# Altium PCB PCB1.PcbDoc (part 1 of 2) (continued)
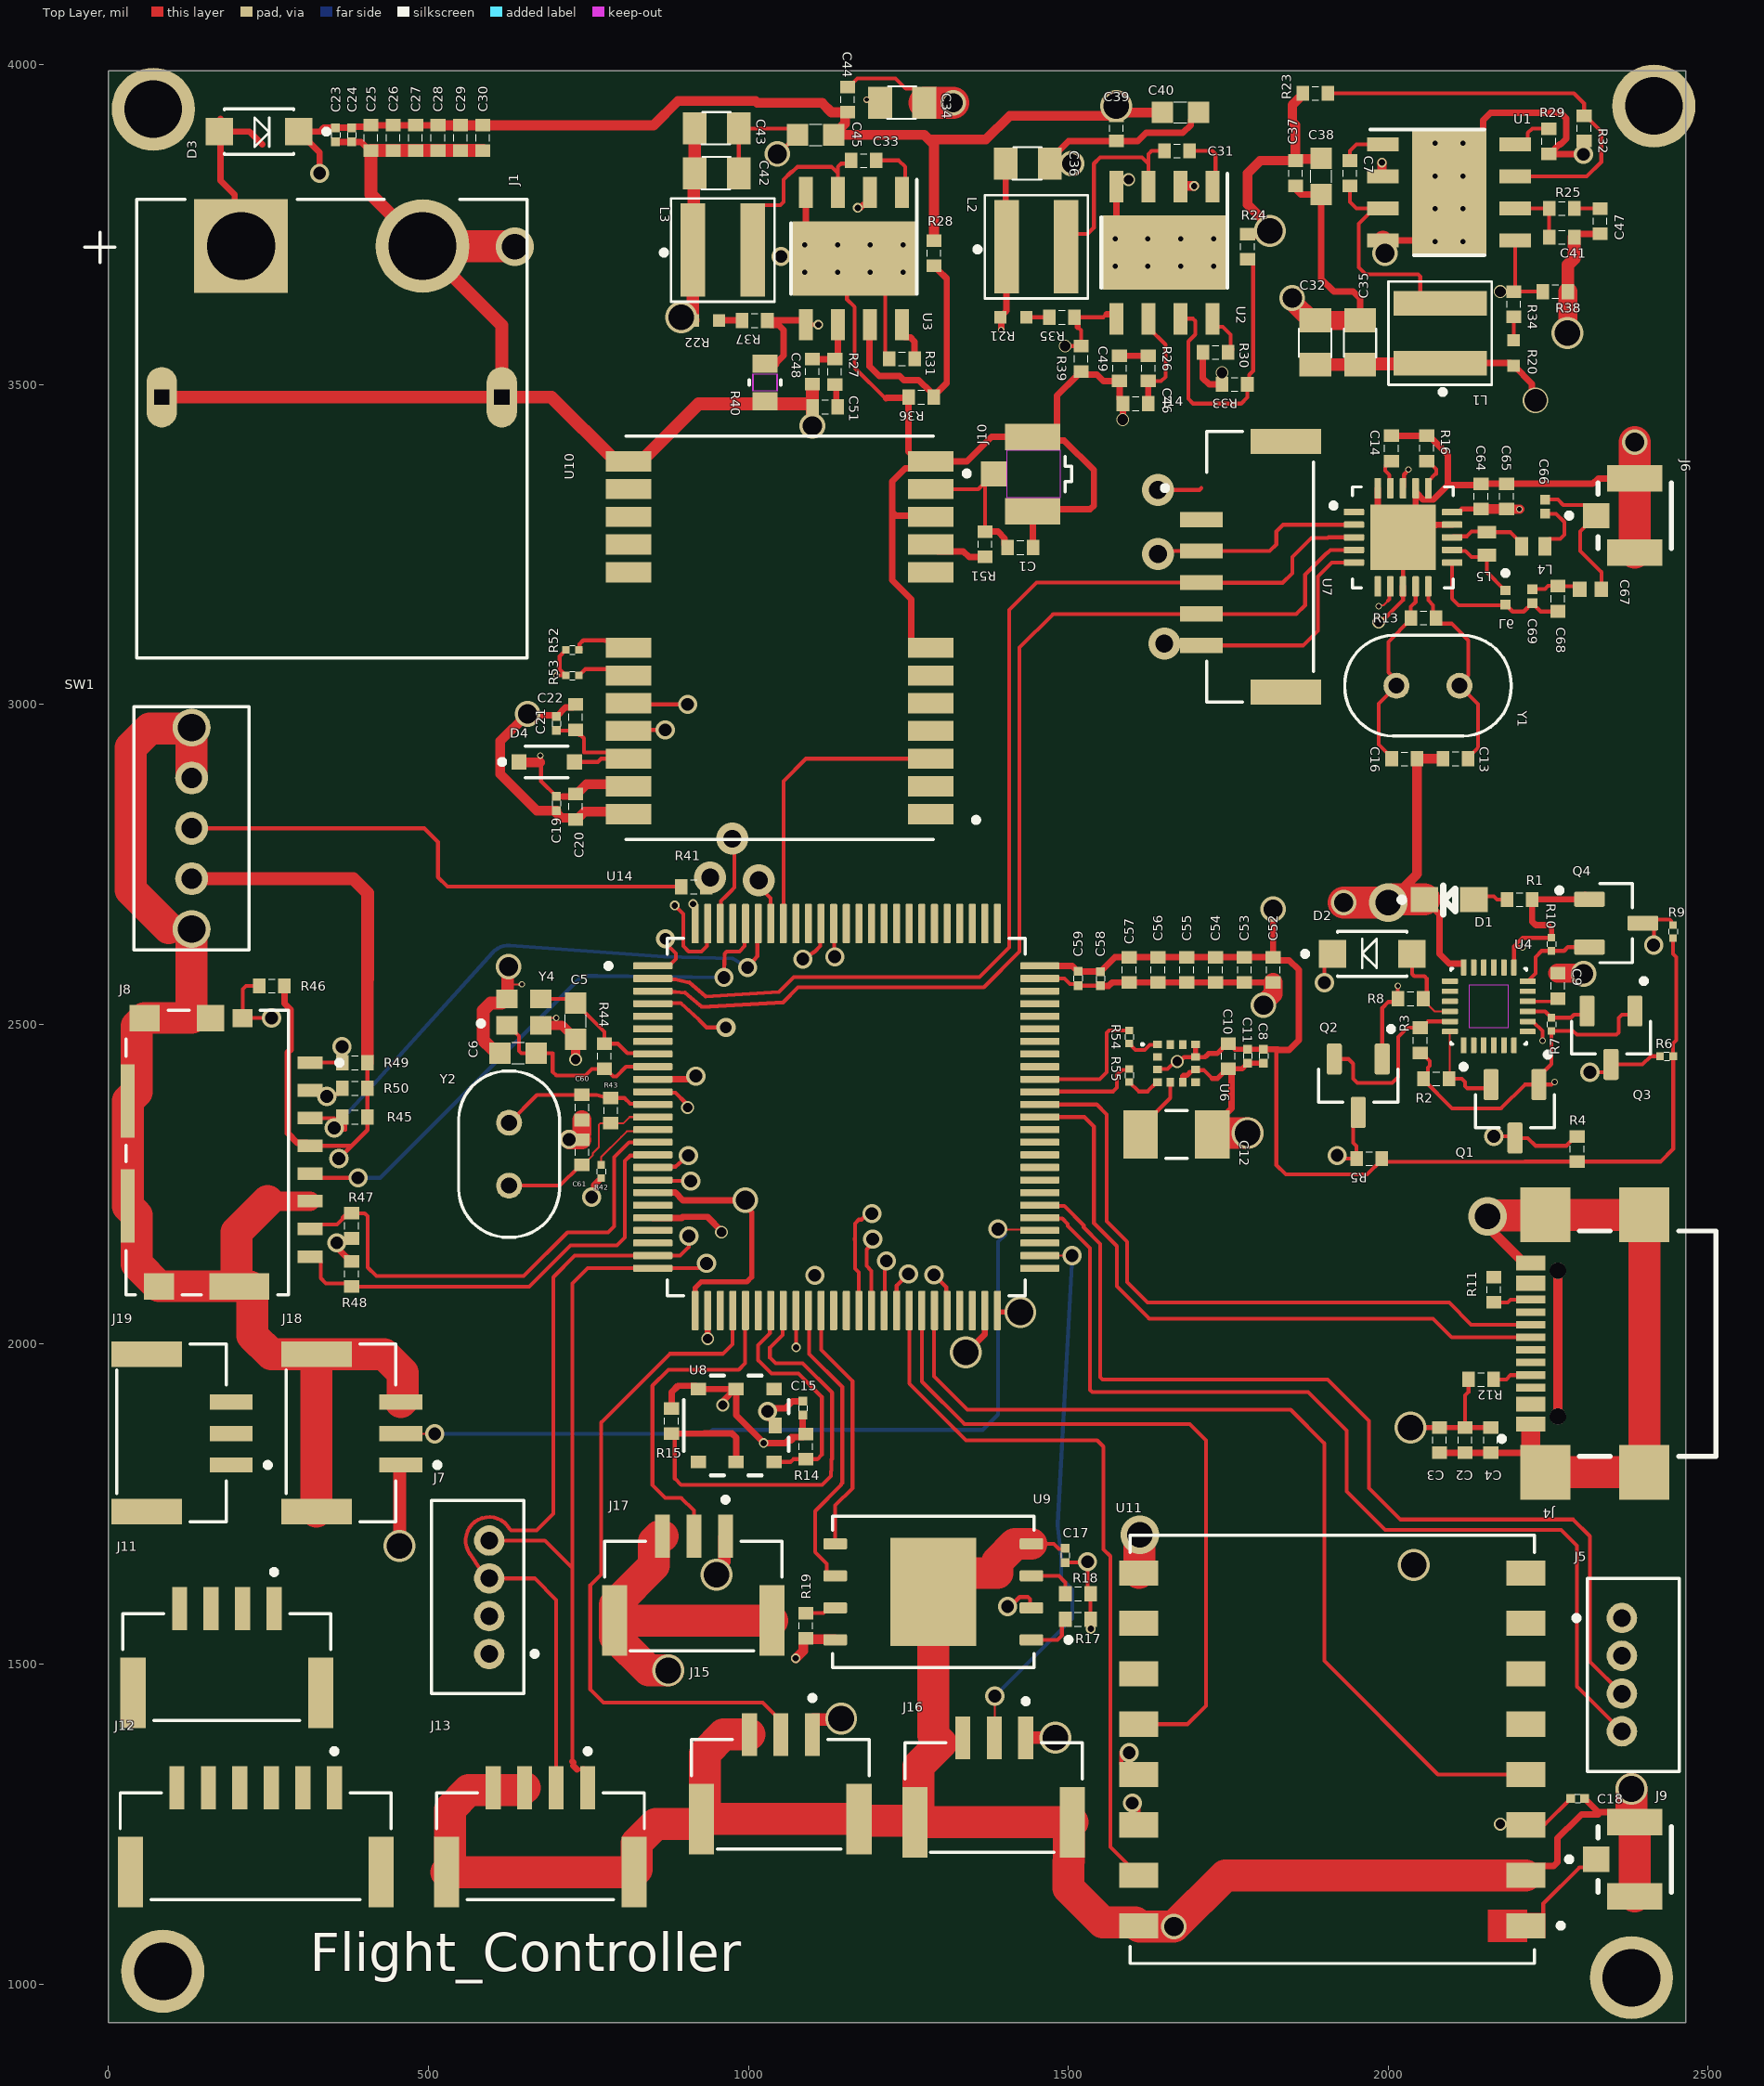
[diagram p0: Top Layer view]
## Part data (continued)
R13 R43 R44: "RES SMD 1M OHM 1% 1/10W 0402", Case Code (Imperial)=0402, Case Code (Metric)=1005, Manufacturer=Panasonic, Max Operating Temperature=155°C, Max Power Dissipation=100mW, Min Operating Temperature=-55°C, Package Quantity=1, Resistance Tolerance=1%, Resistor Type="Thick Film", Supplier Part Number=P1.00MLCT-ND, Temperature Coefficient=100ppm/°C, Voltage Rating=50V, Case/Package=0402, Category="Chip SMD Resistors", ComponentLink1Description=https://datasheet.ciiva.com/34303/1987046-34303551.pdf?src-supplier=Jameco, ComponentLink1URL=https://datasheet.ciiva.com/34303/1987046-34303551.pdf?src-supplier=Jameco, ComponentLink2Description=https://datasheet.ciiva.com/11821/0900766b80f80784-11821229.pdf?src-supplier=Rs, ComponentLink2URL=https://datasheet.ciiva.com/11821/0900766b80f80784-11821229.pdf?src-supplier=Rs, ComponentLink3Description=https://datasheet.ciiva.com/7909/aoa0000ce2-7909180.pdf?src-supplier=Element14, ComponentLink3URL=https://datasheet.ciiva.com/7909/aoa0000ce2-7909180.pdf?src-supplier=Element14, ComponentLink4Description=https://datasheet.ciiva.com/22723/1678782-22723164.pdf?src-supplier=Element14, ComponentLink4URL=https://datasheet.ciiva.com/22723/1678782-22723164.pdf?src-supplier=Element14, ComponentLink5Description=https://datasheet.ciiva.com/24158/aoa0000ce2-24158990.pdf?src-supplier=Mouser, ComponentLink5URL=https://datasheet.ciiva.com/24158/aoa0000ce2-24158990.pdf?src-supplier=Mouser, ComponentLink6Description=https://datasheet.ciiva.com/16766/70260748-16766711.pdf?src-supplier=Allied+Electronics, ComponentLink6URL=https://datasheet.ciiva.com/16766/70260748-16766711.pdf?src-supplier=Allied+Electronics, ComponentLink7Description=https://datasheet.ciiva.com/16779/70260748-16779288.pdf?src-supplier=Allied+Electronics, ComponentLink7URL=https://datasheet.ciiva.com/16779/70260748-16779288.pdf?src-supplier=Allied+Electronics, ComponentLink8Description=https://datasheet.ciiva.com/16199/aoa0000ce2-16199544.pdf?src-supplier=Future+Electronics, ComponentLink8URL=https://datasheet.ciiva.com/16199/aoa0000ce2-16199544.pdf?src-supplier=Future+Electronics, Construction=Rectangular, Contact Plating=Tin, Depth=0.5mm, Features="Automotive AEC-Q200", Height=0.35mm, Lead Free="Lead Free", Length=1mm, Manufacturer Part Number=ERJ-2RKF1004X, Military Standard=Not, Mounting Technology="Surface Mount", Number of Terminations=2, Packaging="Tape and Reel", Pins=2, Power Rating=100mW, Pricing="1=0.10000, 10=0.03400, 100=0.01390, 1000=0.00625, 2500=0.00543, 5000=0.00448 (USD)", Radiation Hardening=No, Reach SVHC Compliant=Yes, RoHS=Yes, RoHS Compliant=Yes, Series=ERJ, Stock=3168277, Supplier=Digi-Key, Technology="THICK FILM", Termination=SMD/SMT, Tolerance=1%, Voltage Rating (DC)=50V, Weight=2.8E-05oz, Width=0.02inch, Working Voltage=50V
R14 R15: "Res Thick Film 0402 4.7K Ohm 1% 1/10W ±100ppm/°C Molded SMD Punched Carrier T/R", Case Code (Imperial)=0402, Case Code (Metric)=1005, Manufacturer=Panasonic, Max Operating Temperature=155°C, Max Power Dissipation=100mW, Min Operating Temperature=-55°C, Package Quantity=10000, Resistor Type="Thick Film", Supplier Part Number=7325517, Temperature Coefficient=100ppm/°C, Tolerance=1%, Voltage Rating=50V, Case/Package=0402, Category="Chip SMD Resistors", ComponentLink1Description=https://datasheet.ciiva.com/11821/0900766b80f80784-11821329.pdf?src-supplier=Rs, ComponentLink1URL=https://datasheet.ciiva.com/11821/0900766b80f80784-11821329.pdf?src-supplier=Rs, ComponentLink2Description=https://datasheet.ciiva.com/7830/aoa0000ce2-7830727.pdf?src-supplier=Element14, ComponentLink2URL=https://datasheet.ciiva.com/7830/aoa0000ce2-7830727.pdf?src-supplier=Element14, ComponentLink3Description=https://datasheet.ciiva.com/22781/1678782-22781576.pdf?src-supplier=Farnell, ComponentLink3URL=https://datasheet.ciiva.com/22781/1678782-22781576.pdf?src-supplier=Farnell, ComponentLink4Description=https://datasheet.ciiva.com/22667/1678782-22667886.pdf?src-supplier=Element14, ComponentLink4URL=https://datasheet.ciiva.com/22667/1678782-22667886.pdf?src-supplier=Element14, ComponentLink5Description=https://datasheet.ciiva.com/22723/1678782-22723903.pdf?src-supplier=Element14, ComponentLink5URL=https://datasheet.ciiva.com/22723/1678782-22723903.pdf?src-supplier=Element14, ComponentLink6Description=https://datasheet.ciiva.com/24025/aoa0000ce2-24025663.pdf?src-supplier=Mouser, ComponentLink6URL=https://datasheet.ciiva.com/24025/aoa0000ce2-24025663.pdf?src-supplier=Mouser, ComponentLink7Description=https://datasheet.ciiva.com/16763/70260748-16763151.pdf?src-supplier=Allied+Electronics, ComponentLink7URL=https://datasheet.ciiva.com/16763/70260748-16763151.pdf?src-supplier=Allied+Electronics, ComponentLink8Description=https://datasheet.ciiva.com/9195/aoa0000ce2-9195737.pdf?src-supplier=Avnet, ComponentLink8URL=https://datasheet.ciiva.com/9195/aoa0000ce2-9195737.pdf?src-supplier=Avnet, ComponentLink9Description=https://datasheet.ciiva.com/30053/aoa0000ce2-30053990.pdf?src-supplier=Onlinecomponents.com, ComponentLink9URL=https://datasheet.ciiva.com/30053/aoa0000ce2-30053990.pdf?src-supplier=Onlinecomponents.com, Contact Plating=Tin, Depth=0.5mm, Features="Automotive AEC-Q200", Height=0.35mm, Lead Free="Lead Free", Length=1mm, Manufacturer Part Number=ERJ-2RKF4701X, Military Standard=Not, Mounting Technology="Surface Mount", Number of Terminations=2, Packaging="Cut Tape", Pins=2, Power Rating=100mW, Pricing="10000=0.00400 (GBP)", Radiation Hardening=No, Reach SVHC Compliant=Yes, RoHS=Yes, RoHS Compliant=Yes, Series=ERJ-2Rx, Stock=290000, Supplier=Rs, Technology="THICK FILM", Termination=SMD/SMT, Voltage Rating (DC)=50V, Weight=0.000388oz, Width=0.5mm
R18 R19: "SMD Chip Resistor, Jumper, 0 ohm, 100 mW, 0402 [1005 Metric], Thick Film, General Purpose", Case Code (Imperial)=0402, Case Code (Metric)=1005, Manufacturer=Panasonic, Max Operating Temperature=155°C, Max Power Dissipation=100mW, Min Operating Temperature=-55°C, Package Quantity=10000, Ratings=AEC-Q200, Resistor Type="Thick Film", Supplier Part Number=P0.0JCT-ND, Temperature Coefficient=600ppm/°C, Tolerance=5%, Voltage Rating=50V, Case/Package=0402, Category="Chip SMD Resistors", ComponentLink1Description=https://datasheet.ciiva.com/11821/0900766b80f806dd-11821176.pdf?src-supplier=Rs, ComponentLink1URL=https://datasheet.ciiva.com/11821/0900766b80f806dd-11821176.pdf?src-supplier=Rs, ComponentLink2Description=https://datasheet.ciiva.com/43460/1678796-43460347.pdf?src-supplier=Farnell, ComponentLink2URL=https://datasheet.ciiva.com/43460/1678796-43460347.pdf?src-supplier=Farnell, ComponentLink3Description=https://datasheet.ciiva.com/46389/1678796-46389518.pdf?src-supplier=Element14, ComponentLink3URL=https://datasheet.ciiva.com/46389/1678796-46389518.pdf?src-supplier=Element14, ComponentLink4Description=https://datasheet.ciiva.com/5959/1678796-5959692.pdf?src-supplier=Farnell, ComponentLink4URL=https://datasheet.ciiva.com/5959/1678796-5959692.pdf?src-supplier=Farnell, ComponentLink5Description=https://datasheet.ciiva.com/28695/1678796-28695758.pdf?src-supplier=Element14, ComponentLink5URL=https://datasheet.ciiva.com/28695/1678796-28695758.pdf?src-supplier=Element14, ComponentLink6Description=https://datasheet.ciiva.com/16783/70260739-16783734.pdf?src-supplier=Allied+Electronics, ComponentLink6URL=https://datasheet.ciiva.com/16783/70260739-16783734.pdf?src-supplier=Allied+Electronics, ComponentLink7Description=https://datasheet.ciiva.com/16778/70260739-16778335.pdf?src-supplier=Allied+Electronics, ComponentLink7URL=https://datasheet.ciiva.com/16778/70260739-16778335.pdf?src-supplier=Allied+Electronics, ComponentLink8Description=https://datasheet.ciiva.com/48531/aoa0000ce1-48531077.pdf?src-supplier=Avnet, ComponentLink8URL=https://datasheet.ciiva.com/48531/aoa0000ce1-48531077.pdf?src-supplier=Avnet, ComponentLink9Description=https://datasheet.ciiva.com/30097/4aoa0000ce1-30097116.pdf?src-supplier=Onlinecomponents.com, ComponentLink9URL=https://datasheet.ciiva.com/30097/4aoa0000ce1-30097116.pdf?src-supplier=Onlinecomponents.com, Construction=Rectangular, Contact Plating=Tin, Depth=0.5mm, Features="Automotive AEC-Q200", Height=0.35mm, Lead Free="Lead Free", Length=1mm, Manufacturer Part Number=ERJ-2GE0R00X, Military Standard=Not, Mounting Technology="Surface Mount", Number of Terminations=2, Packaging="Cut Tape", Power Rating=100mW, Pricing="1=0.10000, 10=0.02700, 25=0.02000, 50=0.01500, 100=0.01110, 250=0.00848, 500=0.00680, 1000=0.00500, 5000=0.00359 (USD)", Radiation Hardening=No, Reach SVHC Compliant=Yes, RoHS=Yes, RoHS Compliant=Yes, Series=ERJ, Stock=12419974, Supplier=Digi-Key, Technology="THICK FILM", Termination=SMD/SMT, Voltage Rating (DC)=50V, Width=0.5mm
R20 R21 R22: library part ERA2AEB5112X, "51.1 kOhms ±0.1% 0.063W, 1/16W Chip Resistor 0402 (1005 Metric) Automotive AEC-Q200 Thin Film", Manufacturer Part Number=ERA2AEB5112X
R23 R24 R28: "High Precision-High Stability Chip Resistor Thin Film 0402 220kOhm 0.1% Paper T/R", Case/Package=0402, Manufacturer=Yageo, Category="Chip SMD Resistors", Manufacturer Part Number=RT0402BRD07220KL, Pricing="10000=0.047, 20000=0.0452, 30000=0.0442, 50000=0.0425, 100000=0.0416 (USD)", RoHS=Yes, Stock=310000, Supplier="Arrow Electronics", Supplier Part Number=RT0402BRD07220KL
R25 R26 R27: "Res Thick Film 0402 3.4K Ohm 1% 1/10W ±100ppm/°C Molded SMD Punched Carrier T/R", Case/Package=0402, Manufacturer=Panasonic, Supplier Part Number=667-ERJ-2RKF3401X, Voltage Rating (DC)=50V, Category="Chip SMD Resistors", ComponentLink1Description=https://datasheet.ciiva.com/6201/426256-6201358.pdf?src-supplier=Farnell, ComponentLink1URL=https://datasheet.ciiva.com/6201/426256-6201358.pdf?src-supplier=Farnell, ComponentLink2Description=https://datasheet.ciiva.com/9196/aoa0000ce2-9196415.pdf?src-supplier=Avnet, ComponentLink2URL=https://datasheet.ciiva.com/9196/aoa0000ce2-9196415.pdf?src-supplier=Avnet, ComponentLink3Description=https://datasheet.ciiva.com/24160/aoa0000ce2-24160133.pdf?src-supplier=Mouser, ComponentLink3URL=https://datasheet.ciiva.com/24160/aoa0000ce2-24160133.pdf?src-supplier=Mouser, ComponentLink4Description=https://datasheet.ciiva.com/30115/aoa0000ce2-30115213.pdf?src-supplier=Onlinecomponents.com, ComponentLink4URL=https://datasheet.ciiva.com/30115/aoa0000ce2-30115213.pdf?src-supplier=Onlinecomponents.com, ComponentLink5Description=https://datasheet.ciiva.com/16771/70260748-16771656.pdf?src-supplier=Allied+Electronics, ComponentLink5URL=https://datasheet.ciiva.com/16771/70260748-16771656.pdf?src-supplier=Allied+Electronics, ComponentLink6Description=https://datasheet.ciiva.com/16774/70260748-16774598.pdf?src-supplier=Allied+Electronics, ComponentLink6URL=https://datasheet.ciiva.com/16774/70260748-16774598.pdf?src-supplier=Allied+Electronics, ComponentLink7Description=https://datasheet.ciiva.com/46389/426256-46389135.pdf?src-supplier=Element14, ComponentLink7URL=https://datasheet.ciiva.com/46389/426256-46389135.pdf?src-supplier=Element14, Lead Free=5698LeadFree, Manufacturer Part Number=ERJ-2RKF3401X, Pricing="1=0.1, 10=0.023, 50=0.023, 100=0.013, 1000=0.008, 10000=0.004 (USD)", RoHS=Yes, Stock=133092, Supplier=Mouser
R29 R30 R31: "SMD Chip Resistor, 140 kOhm, ± 0.1%, 63 mW, 0402 [1005 Metric], Thin Film, High Precision High Stability", Case/Package=0402, Manufacturer=Yageo, Supplier Part Number=4312055, Temperature Coefficient=25ppm/°C, Category="Chip SMD Resistors", ComponentLink1Description=https://datasheet.octopart.com/RT0402BRD07140KL-Yageo-datasheet-166250672.pdf?src-supplier=Future+Electronics, ComponentLink1URL=https://datasheet.octopart.com/RT0402BRD07140KL-Yageo-datasheet-166250672.pdf?src-supplier=Future+Electronics, ComponentLink2Description=https://datasheet.octopart.com/RT0402BRD07140KL-Yageo-datasheet-164439670.pdf?src-supplier=Newark, ComponentLink2URL=https://datasheet.octopart.com/RT0402BRD07140KL-Yageo-datasheet-164439670.pdf?src-supplier=Newark, Manufacturer Part Number=RT0402BRD07140KL, Packaging=10Packaging, Pricing="10=0.121, 100=0.105, 500=0.066, 2500=0.057, 5000=0.048, 10000=0.047, 50000=0.0461, 100000=0.0451 (EUR)", RoHS=Yes, Stock=9900, Supplier=Farnell
R32 R33 R36: "0402 Thin Film Chip Resistor / 0402 SMD Resistor 0.1% 15PPM 43 Kohm", Case Code (Imperial)=0402, Case Code (Metric)=1005, Manufacturer=Panasonic, Max Operating Temperature=155°C, Max Power Dissipation=63mW, Min Operating Temperature=-55°C, Supplier Part Number=667-ERA-2APB433X, Temperature Coefficient=15ppm/°C, Tolerance=0.1%, Case/Package=0402, Category="Chip SMD Resistors", ComponentLink1Description=https://media.digikey.com/pdf/Data%20Sheets/Panasonic%20Resistors%20Thermistors%20PDFs/ERA_Series_LE.pdf?src-supplier=Digi-Key, ComponentLink1URL=https://media.digikey.com/pdf/Data%20Sheets/Panasonic%20Resistors%20Thermistors%20PDFs/ERA_Series_LE.pdf?src-supplier=Digi-Key, Features="Automotive AEC-Q200", Height=0.016inch, Lead Free="Lead Free", Length=0.039inch, Manufacturer Part Number=ERA-2APB433X, Number of Terminations=2, Packaging="Cut Tape", Pricing="1=0.73, 10=0.471, 50=0.471, 100=0.41, 1000=0.24, 10000=0.218 (USD)", RoHS=Yes, Series=ERA-2A, Stock=8335, Supplier=Mouser, Width=0.02inch
R34 R35 R37: "Res Thin Film 0402 100K Ohm 0.1% 0.063W ±25ppm/°C Molded SMD Punched Carrier T/R", Case/Package=0402, Manufacturer=Panasonic, Supplier Part Number=667-ERA-2AEB104X, Voltage Rating (DC)=25V, Category="Chip SMD Resistors", ComponentLink1Description=https://datasheet.ciiva.com/11812/0900766b80beefcc-11812257.pdf?src-supplier=Rs, ComponentLink1URL=https://datasheet.ciiva.com/11812/0900766b80beefcc-11812257.pdf?src-supplier=Rs, ComponentLink2Description=https://datasheet.ciiva.com/16787/70068849-16787783.pdf?src-supplier=Allied+Electronics, ComponentLink2URL=https://datasheet.ciiva.com/16787/70068849-16787783.pdf?src-supplier=Allied+Electronics, ComponentLink3Description=https://datasheet.ciiva.com/46398/328837-46398997.pdf?src-supplier=Element14, ComponentLink3URL=https://datasheet.ciiva.com/46398/328837-46398997.pdf?src-supplier=Element14, ComponentLink4Description=https://datasheet.ciiva.com/16396/aoa0000ce26-16396826.pdf?src-supplier=Future+Electronics, ComponentLink4URL=https://datasheet.ciiva.com/16396/aoa0000ce26-16396826.pdf?src-supplier=Future+Electronics, ComponentLink5Description=https://datasheet.ciiva.com/9186/aoa0000ce26-9186748.pdf?src-supplier=Avnet, ComponentLink5URL=https://datasheet.ciiva.com/9186/aoa0000ce26-9186748.pdf?src-supplier=Avnet, ComponentLink6Description=https://datasheet.ciiva.com/9116/aoa0000ce26-9116650.pdf?src-supplier=Avnet, ComponentLink6URL=https://datasheet.ciiva.com/9116/aoa0000ce26-9116650.pdf?src-supplier=Avnet, ComponentLink7Description=https://datasheet.ciiva.com/5838/328837-5838014.pdf?src-supplier=Farnell, ComponentLink7URL=https://datasheet.ciiva.com/5838/328837-5838014.pdf?src-supplier=Farnell, Lead Free=5697LeadFree, Manufacturer Part Number=ERA-2AEB104X, Pricing="1=0.17, 10=0.102, 50=0.102, 100=0.091, 1000=0.061, 10000=0.051 (USD)", RoHS=Yes, Stock=96467, Supplier=Mouser
R38: "Res Thick Film 0402 78.7K Ohm 1% 1/16W ±100ppm/°C Molded SMD Paper T/R", Case Code (Imperial)=0402, Case Code (Metric)=1005, Manufacturer=Yageo, Max Operating Temperature=155°C, Max Power Dissipation=63mW, Min Operating Temperature=-55°C, Package Quantity=1, Power Rating=62.5mW, Supplier Part Number=7141302, Temperature Coefficient=100ppm/°C, Tolerance=1%, Voltage Rating=50V, Case/Package=0402, Category="Chip SMD Resistors", ComponentLink1Description=https://datasheet.ciiva.com/2491/pyu-r-int-thick-7-2491262.pdf?src-supplier=Digikey, ComponentLink1URL=https://datasheet.ciiva.com/2491/pyu-r-int-thick-7-2491262.pdf?src-supplier=Digikey, ComponentLink2Description=https://datasheet.ciiva.com/2491/pyu-r-int-thick-7-2491263.pdf?src-supplier=Digikey, ComponentLink2URL=https://datasheet.ciiva.com/2491/pyu-r-int-thick-7-2491263.pdf?src-supplier=Digikey, ComponentLink3Description=https://datasheet.ciiva.com/2491/pyu-r-int-thick-7-2491261.pdf?src-supplier=Digikey, ComponentLink3URL=https://datasheet.ciiva.com/2491/pyu-r-int-thick-7-2491261.pdf?src-supplier=Digikey, ComponentLink4Description=https://datasheet.ciiva.com/5596/pyu-rc0402-51-rohs-l-6-r-5596046.pdf?src-supplier=Mouser, ComponentLink4URL=https://datasheet.ciiva.com/5596/pyu-rc0402-51-rohs-l-6-r-5596046.pdf?src-supplier=Mouser, ComponentLink5Description=https://datasheet.ciiva.com/8888/pyu-rc0402-51-rohs-l-6-8888223.pdf?src-supplier=Avnet, ComponentLink5URL=https://datasheet.ciiva.com/8888/pyu-rc0402-51-rohs-l-6-8888223.pdf?src-supplier=Avnet, ComponentLink6Description=https://datasheet.ciiva.com/17423/pyu-rc0402-51-rohs-l-6-r-17423799.pdf?src-supplier=Future+Electronics, ComponentLink6URL=https://datasheet.ciiva.com/17423/pyu-rc0402-51-rohs-l-6-r-17423799.pdf?src-supplier=Future+Electronics, Construction=Rectangular, Contact Plating=Tin,Matte, Depth=0.5mm, Features="Moisture Resistant", Height=0.016inch, Lead Free=5697LeadFree, Length=1mm, Manufacturer Part Number=RC0402FR-0778K7L, Military Standard=Not, Number of Terminations=2, Packaging="Tape and Reel", Pricing="10000=0.0015, 50000=0.0015, 250000=0.0014, 500000=0.0013, 1500000=0.0012 (USD)", RoHS=Yes, RoHS Compliant=Yes, Series=RC, Stock=430000, Supplier="Future Electronics", Termination=SMD/SMT, Voltage Rating (DC)=50V, Weight=2.3E-05oz, Width=0.02inch
R39: "SMD Chip Resistor, 32 kOhm, ± 0.1%, 100 mW, 0402 [1005 Metric], Thin Film, High Stability", Case/Package=0402, Manufacturer="Vishay Dale", Resistance Tolerance=0.1%, Supplier Part Number=71-TNPW040232K0BEED, Category="Chip SMD Resistors", ComponentLink1Description=https://datasheet.ciiva.com/9017/tnpw-e3-9017983.pdf?src-supplier=Avnet, ComponentLink1URL=https://datasheet.ciiva.com/9017/tnpw-e3-9017983.pdf?src-supplier=Avnet, Manufacturer Part Number=TNPW040232K0BEED, Pricing="1=0.35, 10=0.243, 50=0.193, 100=0.171, 1000=0.114, 10000=0.1 (USD)", RoHS=Yes, Stock=21931, Supplier=Mouser
R40: library part ERA3AEB1912V, "100mW Thin Film Resistor 75V ±0.1% ±25ppm/℃ 19.1kΩ 0603 Chip Resistor - Surface Mount ROHS", Manufacturer Part Number=ERA3AEB1912V
R42: "Res Thick Film 0201 0 Ohm Jumper Molded SMD Paper T/R", Case/Package=0201, Manufacturer="Stackpole Electronics", Supplier Part Number=708-RMCF0201ZT0R00, Voltage Rating=25V, Category="Chip SMD Resistors", ComponentLink1Description=http://www.seielect.com/Catalog/SEI-RMC.pdf?src-supplier=Future+Electronics, ComponentLink1URL=http://www.seielect.com/Catalog/SEI-RMC.pdf?src-supplier=Future+Electronics, ComponentLink2Description=https://datasheet.octopart.com/RMCF0201ZT0R00-Stackpole-Electronics-datasheet-11547379.pdf?src-supplier=Future+Electronics, ComponentLink2URL=https://datasheet.octopart.com/RMCF0201ZT0R00-Stackpole-Electronics-datasheet-11547379.pdf?src-supplier=Future+Electronics, ComponentLink3Description=https://www.seielect.com/catalog/SEI-Packaging.pdf?src-supplier=Digikey, ComponentLink3URL=https://www.seielect.com/catalog/SEI-Packaging.pdf?src-supplier=Digikey, ComponentLink4Description=https://www.seielect.com/catalog/SEI-RMCF_RMCP.pdf?src-supplier=Avnet, ComponentLink4URL=https://www.seielect.com/catalog/SEI-RMCF_RMCP.pdf?src-supplier=Avnet, ComponentLink5Description=https://datasheet.octopart.com/RMCF0201ZT0R00-Stackpole-Electronics-datasheet-155966809.pdf?src-supplier=Master+Electronics, ComponentLink5URL=https://datasheet.octopart.com/RMCF0201ZT0R00-Stackpole-Electronics-datasheet-155966809.pdf?src-supplier=Master+Electronics, Lead Free=5697LeadFree, Manufacturer Part Number=RMCF0201ZT0R00, Pricing="1=0.1, 10=0.01, 50=0.01, 100=0.006, 1000=0.004, 10000=0.002 (USD)", RoHS=Yes, Stock=435831, Supplier=Mouser
R51: "Res Thick Film 0402 10 Ohm 1% 1/10W ±100ppm/°C Molded SMD Punched Carrier T/R", Case Code (Imperial)=0402, Case Code (Metric)=1005, Manufacturer=Panasonic, Max Operating Temperature=155°C, Min Operating Temperature=-55°C, Package Quantity=10000, Power Rating=100mW, Supplier Part Number=667-ERJ-2RKF10R0X, Temperature Coefficient=100ppm/°C, Tolerance=1%, Voltage Rating=50V, Case/Package=0402, Category="Chip SMD Resistors", ComponentLink1Description=https://datasheet.ciiva.com/11821/0900766b80f80784-11821168.pdf?src-supplier=Rs, ComponentLink1URL=https://datasheet.ciiva.com/11821/0900766b80f80784-11821168.pdf?src-supplier=Rs, ComponentLink2Description=https://datasheet.ciiva.com/6082/aoa0000ce2-6082046.pdf?src-supplier=Farnell, ComponentLink2URL=https://datasheet.ciiva.com/6082/aoa0000ce2-6082046.pdf?src-supplier=Farnell, ComponentLink3Description=https://datasheet.ciiva.com/43467/1678782-43467127.pdf?src-supplier=Farnell, ComponentLink3URL=https://datasheet.ciiva.com/43467/1678782-43467127.pdf?src-supplier=Farnell, ComponentLink4Description=https://datasheet.ciiva.com/7802/aoa0000ce2-7802405.pdf?src-supplier=Element14, ComponentLink4URL=https://datasheet.ciiva.com/7802/aoa0000ce2-7802405.pdf?src-supplier=Element14, ComponentLink5Description=https://datasheet.ciiva.com/27055/1987054-27055644.pdf?src-supplier=Jameco, ComponentLink5URL=https://datasheet.ciiva.com/27055/1987054-27055644.pdf?src-supplier=Jameco, ComponentLink6Description=https://datasheet.ciiva.com/22668/1678782-22668302.pdf?src-supplier=Element14, ComponentLink6URL=https://datasheet.ciiva.com/22668/1678782-22668302.pdf?src-supplier=Element14, ComponentLink7Description=https://datasheet.ciiva.com/24071/aoa0000ce2-24071514.pdf?src-supplier=Mouser, ComponentLink7URL=https://datasheet.ciiva.com/24071/aoa0000ce2-24071514.pdf?src-supplier=Mouser, ComponentLink8Description=https://datasheet.ciiva.com/16773/70260748-16773366.pdf?src-supplier=Allied+Electronics, ComponentLink8URL=https://datasheet.ciiva.com/16773/70260748-16773366.pdf?src-supplier=Allied+Electronics, ComponentLink9Description=https://datasheet.ciiva.com/9194/aoa0000ce2-9194120.pdf?src-supplier=Avnet, ComponentLink9URL=https://datasheet.ciiva.com/9194/aoa0000ce2-9194120.pdf?src-supplier=Avnet, ComponentLink10Description=https://datasheet.ciiva.com/30218/aoa0000ce2-30218536.pdf?src-supplier=Onlinecomponents.com, ComponentLink10URL=https://datasheet.ciiva.com/30218/aoa0000ce2-30218536.pdf?src-supplier=Onlinecomponents.com, Height=0.35mm, Lead Free="Lead Free", Length=1mm, Manufacturer Part Number=ERJ-2RKF10R0X, Packaging="Cut Tape", Pricing="1=0.1, 10=0.017, 50=0.017, 100=0.008, 1000=0.006, 10000=0.004 (USD)", RoHS=Yes, RoHS Compliant=Yes, Series=ERJ-2Rx, Stock=1740684, Supplier=Mouser, Technology="THICK FILM", Termination=SMD/SMT, Voltage Rating (DC)=50V, Weight=0.000388oz, Width=0.5mm
SW1: "Switch Slide ON None ON SPDT Side Slide 0.2A 30VDC 10000Cycle PC Pins Bracket Mount/Through Hole", Contact Current Rating=200mA, Flammability Rating="UL94 HB", Manufacturer="TE Connectivity AMP", Max Operating Temperature=70°C, Max Voltage Rating (DC)=30V, Min Operating Temperature=-20°C, Operating Force=200gf, Package Quantity=19200, Supplier Part Number=97X7939, Actuator Length=0.118inch, Actuator Material=Nylon, Actuator Type=Standard, Category="Slide Switches", ComponentLink1Description=https://datasheet.ciiva.com/15085/eng-cd-1825232-b2-15085854.pdf?src-supplier=Digi-Key, ComponentLink1URL=https://datasheet.ciiva.com/15085/eng-cd-1825232-b2-15085854.pdf?src-supplier=Digi-Key, Contact Material="Copper Alloy", Contact Plating=Silver, Contact Style=Non-Shorting, Current Rating=200mA, Electrical Life=10000Cycles, ELV=Compliant, Length=0.3563inch, Manufacturer Part Number=1825232-1, Mechanical Life=10000Cycles, Mounting Technology="Through Hole", Number of Positions=2, Orientation="Right Angle", Packaging=Tray, PCB Mount Retention=With, Pricing="1=0.45000, 10=0.43100, 25=0.40900, 100=0.37200, 500=0.32000, 1000=0.26700 (USD)", RoHS=Yes, RoHS Compliant=Yes, Stock=7369, Supplier=Avnet, Switch Function=On-On, Switch Travel=2mm, Tail Length=0.094inch, Termination="PC Pin", Throw Configuration=SPDT, Type=Switch, Voltage Rating (DC)=30V, Width=4.3mm
U1 U2 U3: "4.5V to 28V Input, 3A, Synchronous, Step-Down Converter with Eco-mode", ComponentLink1Description=https://datasheet.ciiva.com/48512/tps54361-q1-48512600.pdf?src-supplier=Avnet, ComponentLink1URL=https://datasheet.ciiva.com/48512/tps54361-q1-48512600.pdf?src-supplier=Avnet, Manufacturer Part Number=TPS54335ADDA
U4: "Accelerometer, Gyroscope, Magnetometer, 9 Axis Sensor I2C, SPI Output", Manufacturer Part Number=ICM-20948
U6: "Magnetoresistive Sensor X, Y, Z Axis 12-LGA (2x2)", Manufacturer Part Number=IIS2MDCTR
U7: "IC RF TxRx Only General ISM > 1GHz - 2.4GHz 20-VFQFN Exposed Pad", Manufacturer Part Number=nRF24L01
U8: "Pressure Sensor 4.35PSI ~ 15.95PSI (30kPa ~ 110kPa) Absolute - 16 ~ 19 b 7-VLGA", Manufacturer Part Number=BMP180
U9: "FLASH - NOR Memory IC 256Mb (32M x 8) SPI - Quad I/O 133 MHz 8-WSON (8x6)", Manufacturer Part Number=W25Q256JVEIQ
U10: "series RF Receiver BeiDou, Galileo, GLONASS, GNSS, GPS - -167dBm - - Module", Manufacturer Part Number=NEO-M9N-00B
U11: "MÃ´-Ä‘un thu phÃ¡t LoRaâ„¢ ISM < 1GHz chung KhÃ´ng bao gá»“m Äƒng-ten 803 MHz ~ 930 MHz GiÃ¡ treo bá» máº·t"
U14: "ARMÂ® CortexÂ®-M7 STM32F7 Microcontroller IC 32-Bit Single-Core 216MHz 64KB (64K x 8) FLASH 100-LQFP (14x14)", Manufacturer Part Number=STM32F750V8T6
Y1 Y2: "16 MHz Â±30ppm Crystal 20pF 50 Ohms HC-46/X", Manufacturer Part Number=ECS-160-20-46X
Y4: "32 MHz Â±10ppm Crystal 8pF 60 Ohms 4-SMD, No Lead", Manufacturer Part Number=ECS-320-8-37CKM

## Free pads (board coordinates)
  round 130 hole 90: ""(70,3930) ""(85,1020) ""(2380,1010) ""(2415,3935)

## Via types
v1: diameter 30, hole 20, Top Layer to Bottom Layer, 43 vias
v2: diameter 40, hole 30, Top Layer to Bottom Layer, 15 vias
v3: diameter 50, hole 40, Top Layer to Bottom Layer, 15 vias
v4: diameter 10, hole 7, Top Layer to Bottom Layer, 13 vias
v5: diameter 15, hole 10, Top Layer to Bottom Layer, 10 vias
v6: diameter 20, hole 15, Top Layer to Bottom Layer, 9 vias
v7: diameter 50, hole 28, Top Layer to Bottom Layer, 6 vias
v8: diameter 60, hole 40, Top Layer to Bottom Layer, 4 vias
v9: diameter 20, hole 17, Top Layer to Bottom Layer, 4 vias
v10: diameter 30, hole 18, Top Layer to Bottom Layer, 2 vias
v11: diameter 40, hole 35, Top Layer to Bottom Layer, 1 vias

## Nets (pads, with @x,y where several pads share a name; then routed paths per layer and width w, separated by ;. In a path a pad name is that pad's centre, name@x,y a point inside that pad or via, vN(x,y) a via of type N, cw(c..) or ccw(c..) an arc to the next point about the centre after c; other vN are vias at no path point)
+1V8: C32.1 C35.1 L1.1 Q1.1 Q2.1 Q3.1 Q4.1 R1.2 R2.1 R3.1 R7.1 R8.1 R10.1 R20.2 U4.8 U4.13 | length 2706.3
  Top Layer w3: U4.8@2217.83,2504.38 U4.8@2226.09,2504.38
  Top Layer w6: Q2.1@1990.4,2445.73 1990.4,2525.4 2000,2535 2010.31,2535 R8.1@2015.32,2540 2015,2540.32 v4(2015,2560) ; R3.1@2050,2455.32 2051.97,2455.32 2065,2442.28 2065,2435 2062.16,2432.16 2062.16,2421.84 R2.1@2055.32,2415 2055.32,2413.03 2099.83,2368.52 2176.06,2368.52 2213.28,2405.73 Q1.1@2235.4,2405.73 ; U4.13@2196.37,2588.83 2196.37,2621.37 ; v4(2210,2620) 2209.23,2620.77 2196.97,2620.77 2196.37,2621.37 ; U4.8@2226.09,2504.38 2240.99,2489.48 v4(2240.99,2474.3) ; R10.1@2255,2635.24 2254.76,2635 2210,2635 2196.37,2621.37 ; v4(2260,2410) 2258.92,2410 2254.65,2405.73 Q1.1@2235.4,2405.73 ; Q4.1@2309.67,2700 Q4.1@2314.27,2695.4 ; Q3.1@2385.4,2520.73 2379.67,2515 2365,2515 2360,2510 2360,2487.03 2356.49,2483.52 2294.57,2483.52 2288.33,2489.76 R7.1@2255,2489.76 2255,2437.73 2235.4,2418.13 Q1.1@2235.4,2405.73
  Top Layer w8: 2245,2655 2250,2655 2255,2650 R10.1@2255,2635.24
  Top Layer w10: L1.1@2081,3533.35 R20.2@2191,3533.35 ; R20.2@2196,3528.84 2196.49,3528.84 2224.26,3501.07 2224.26,3480.74 v11(2230,3475) ; 2245,2655 2230.54,2655 2224.69,2660.86 R1.2@2224.69,2695 2224.89,2695.2 2314.07,2695.2 Q4.1@2314.27,2695.4 ; Q4.1@2307.46,2702.21 Q4.1@2309.67,2700
  Top Layer w20: C32.1@1886,3531.01 C35.1@1956,3531.01 1957.17,3532.18 2079.83,3532.18 L1.1@2081,3533.35
  Layer 2 w6: v4(2015,2560) 2082.5,2560 2142.5,2620 v4(2210,2620) 2240.99,2589.01 v4(2240.99,2474.3) 2240,2473.3 2240,2430 v4(2260,2410)
  Layer 2 w10: v4(2210,2620) 2230,2640 v11(2230,3475)